# KiCad board panel_4_3.kicad_pcb
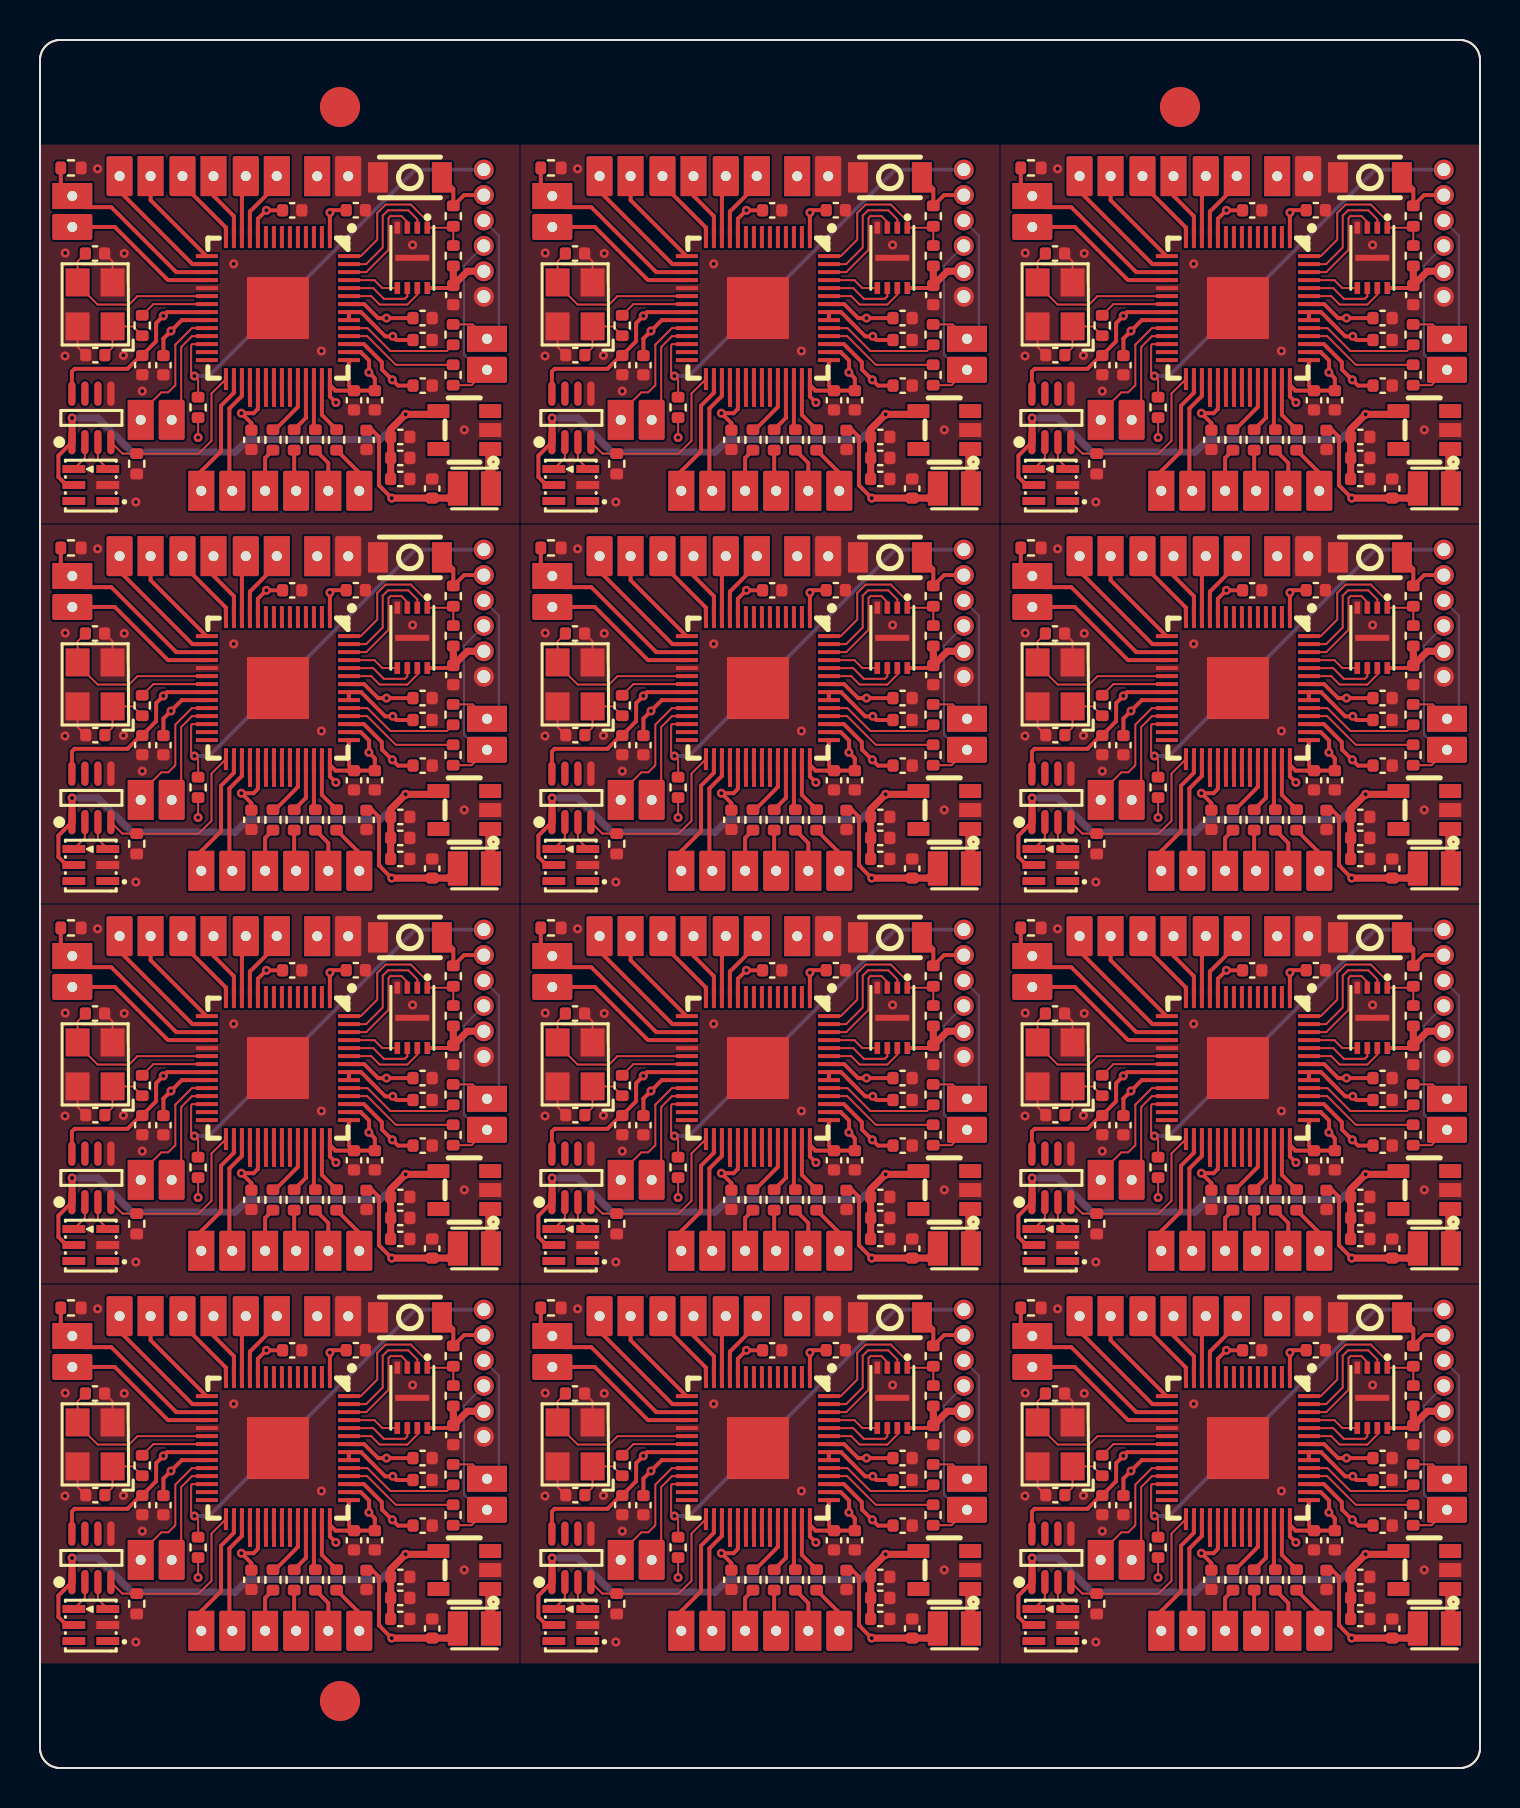
[diagram p0: board, top side]
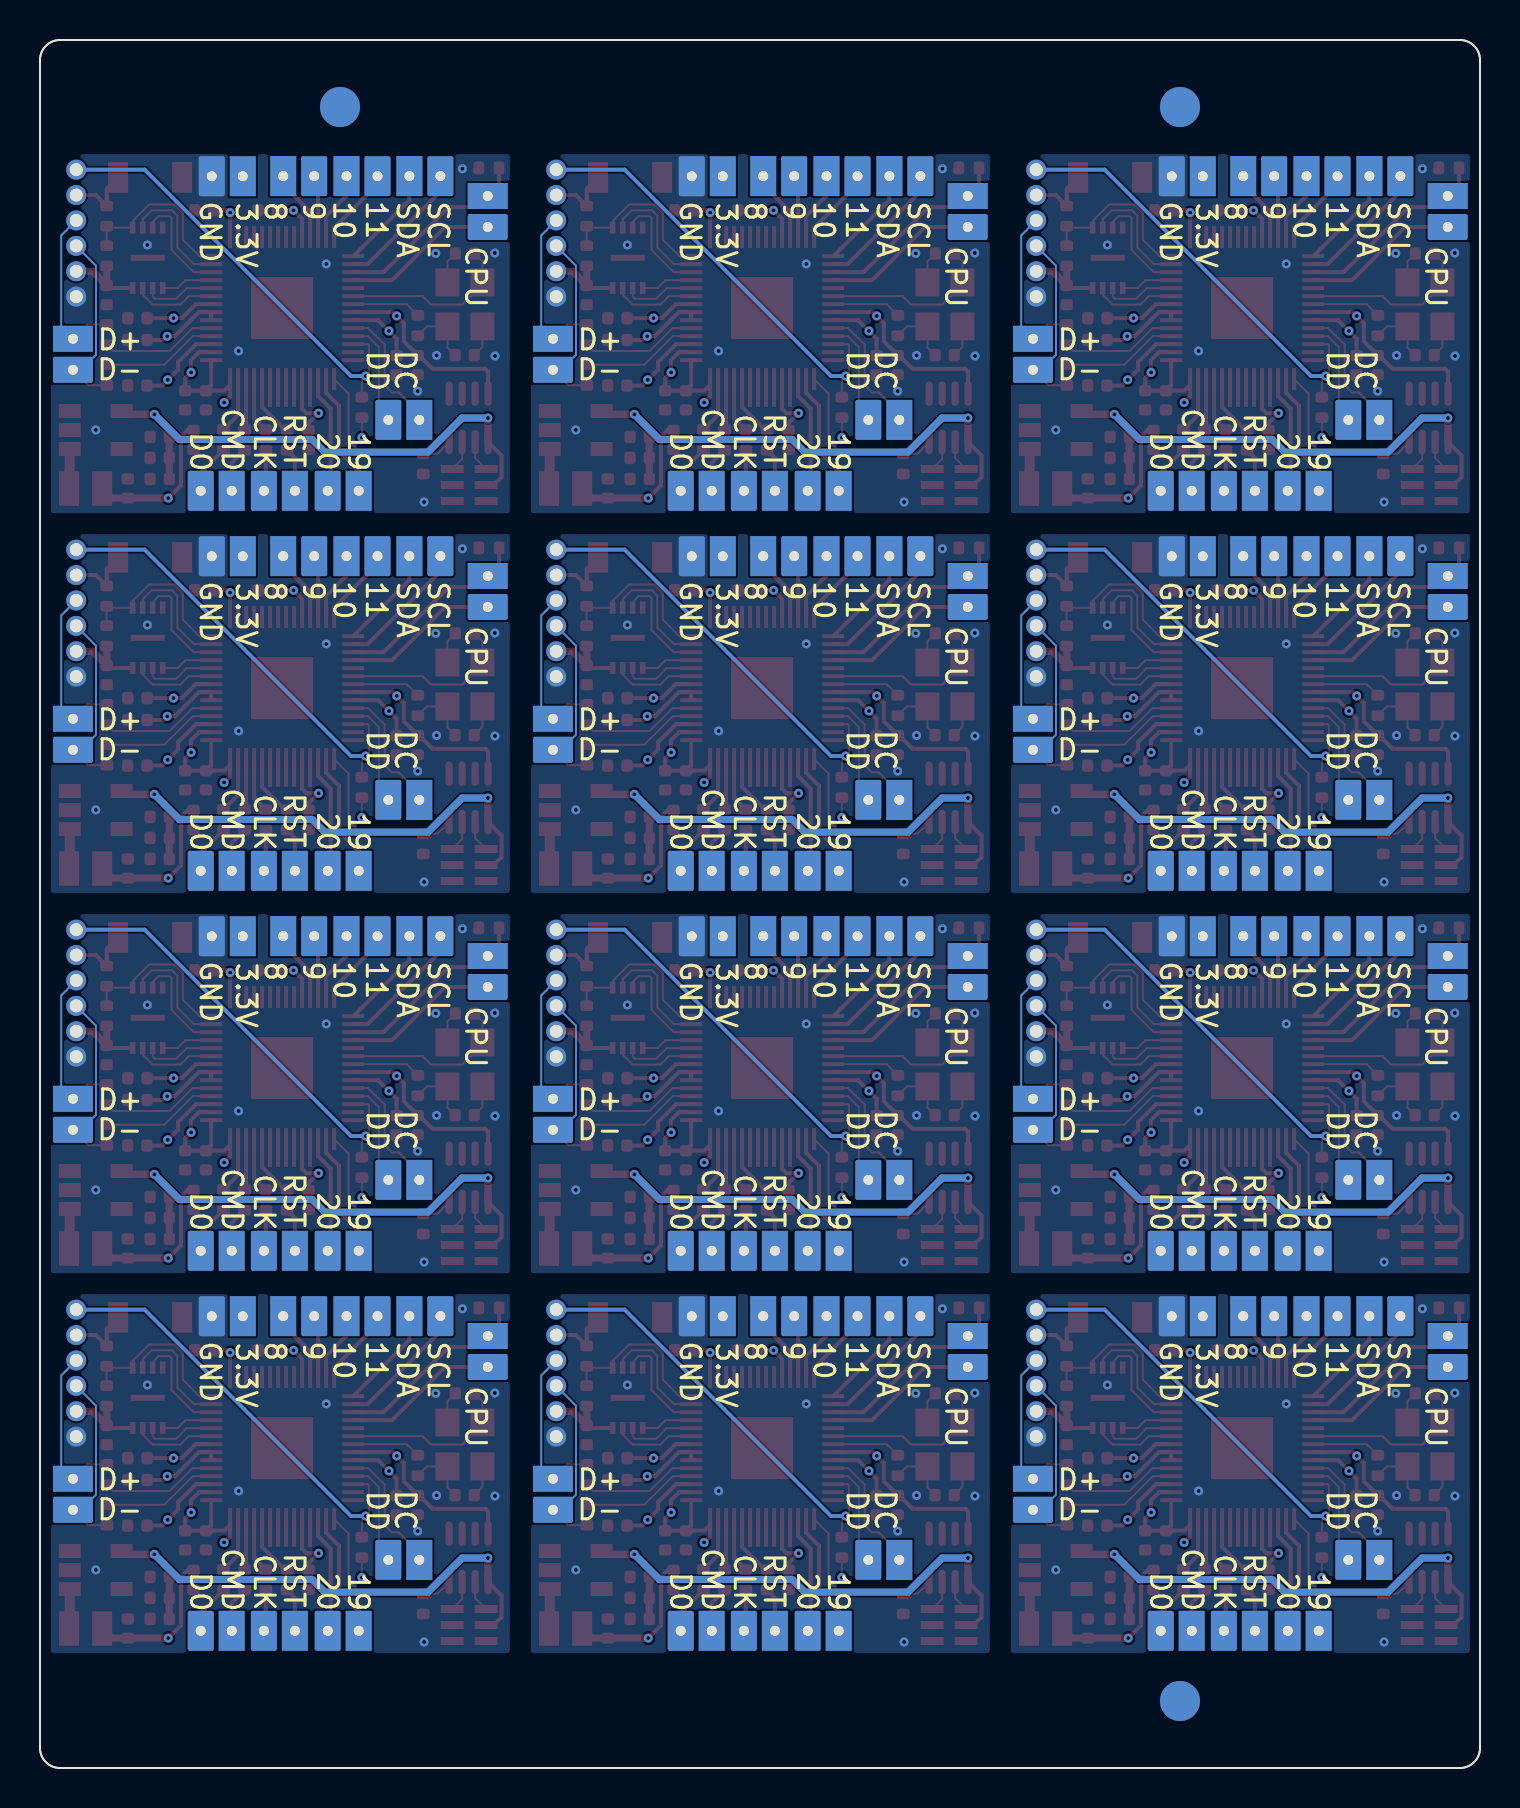
[diagram p1: board, bottom side, seen from below]

Outline 72 x 86.4 mm; copper layers: Top, In1.Cu, In2.Cu, Bottom. Coordinates in mm from the lower left corner of the outline.
Outline path: 0,85.4 0,1 0,0.9 0.02,0.8 0.04,0.71 0.08,0.62 0.12,0.53 0.17,0.44 0.23,0.37 0.29,0.29 0.37,0.23 0.44,0.17 0.53,0.12 0.62,0.08 0.71,0.04 0.8,0.02 0.9,0 1,0 71,0 71.1,0 71.2,0.02 71.29,0.04 71.38,0.08 71.47,0.12 71.56,0.17 71.63,0.23 71.71,0.29 71.77,0.37 71.83,0.44 71.88,0.53 71.92,0.62 71.96,0.71 71.98,0.8 72,0.9 72,1 72,85.4 72,85.5 71.98,85.6 71.96,85.69 71.92,85.78 71.88,85.87 71.83,85.96 71.77,86.03 71.71,86.11 71.63,86.17 71.56,86.23 71.47,86.28 71.38,86.32 71.29,86.36 71.2,86.38 71.1,86.4 71,86.4 1,86.4 0.9,86.4 0.8,86.38 0.71,86.36 0.62,86.32 0.53,86.28 0.44,86.23 0.37,86.17 0.29,86.11 0.23,86.03 0.17,85.96 0.12,85.87 0.08,85.78 0.04,85.69 0.02,85.6 0,85.5 0,85.4
Stack: Top 0.035mm / dielectric 0.48mm FR4 er 4.5 / In1.Cu 0.035mm / dielectric 0.48mm FR4 er 4.5 / In2.Cu 0.035mm / dielectric 0.48mm FR4 er 4.5 / Bottom 0.035mm

## Placement (name value [footprint] x y rotation side)
C1  27pF,50V,C0G  [C_0402_1005Metric]  26.76 32.65 0 top
C1#2  27pF,50V,C0G  [C_0402_1005Metric]  50.76 70.65 0 top
C1#3  27pF,50V,C0G  [C_0402_1005Metric]  2.77 70.65 0 top
C1#4  27pF,50V,C0G  [C_0402_1005Metric]  2.77 32.65 0 top
C1#5  27pF,50V,C0G  [C_0402_1005Metric]  50.76 51.65 0 top
C1#6  27pF,50V,C0G  [C_0402_1005Metric]  26.76 51.65 0 top
C1#7  27pF,50V,C0G  [C_0402_1005Metric]  50.76 32.65 0 top
C1#8  27pF,50V,C0G  [C_0402_1005Metric]  2.77 51.65 0 top
C1#9  27pF,50V,C0G  [C_0402_1005Metric]  2.77 13.65 0 top
C1#10  27pF,50V,C0G  [C_0402_1005Metric]  50.76 13.65 0 top
C1#11  27pF,50V,C0G  [C_0402_1005Metric]  26.76 13.65 0 top
C1#12  27pF,50V,C0G  [C_0402_1005Metric]  26.76 70.65 0 top
C2  100nF,16V,X7R  [C_0402_1005Metric]  19.13 72.5 0 top
C2#2  100nF,16V,X7R  [C_0402_1005Metric]  43.13 72.5 0 top
C2#3  100nF,16V,X7R  [C_0402_1005Metric]  67.13 34.5 0 top
C2#4  100nF,16V,X7R  [C_0402_1005Metric]  43.13 15.5 0 top
C2#5  100nF,16V,X7R  [C_0402_1005Metric]  19.13 53.5 0 top
C2#6  100nF,16V,X7R  [C_0402_1005Metric]  43.13 34.5 0 top
C2#7  100nF,16V,X7R  [C_0402_1005Metric]  67.13 53.5 0 top
C2#8  100nF,16V,X7R  [C_0402_1005Metric]  43.13 53.5 0 top
C2#9  100nF,16V,X7R  [C_0402_1005Metric]  19.13 34.5 0 top
C2#10  100nF,16V,X7R  [C_0402_1005Metric]  67.13 15.5 0 top
C2#11  100nF,16V,X7R  [C_0402_1005Metric]  19.13 15.5 0 top
C2#12  100nF,16V,X7R  [C_0402_1005Metric]  67.13 72.5 0 top
C3  27pF,50V,C0G  [C_0402_1005Metric]  26.75 75.73 0 top
C3#2  27pF,50V,C0G  [C_0402_1005Metric]  2.75 37.73 0 top
C3#3  27pF,50V,C0G  [C_0402_1005Metric]  50.75 37.73 0 top
C3#4  27pF,50V,C0G  [C_0402_1005Metric]  50.75 18.73 0 top
C3#5  27pF,50V,C0G  [C_0402_1005Metric]  2.75 18.73 0 top
C3#6  27pF,50V,C0G  [C_0402_1005Metric]  50.75 56.73 0 top
C3#7  27pF,50V,C0G  [C_0402_1005Metric]  2.75 75.73 0 top
C3#8  27pF,50V,C0G  [C_0402_1005Metric]  2.75 56.73 0 top
C3#9  27pF,50V,C0G  [C_0402_1005Metric]  26.75 56.73 0 top
C3#10  27pF,50V,C0G  [C_0402_1005Metric]  26.75 18.73 0 top
C3#11  27pF,50V,C0G  [C_0402_1005Metric]  50.75 75.73 0 top
C3#12  27pF,50V,C0G  [C_0402_1005Metric]  26.75 37.73 0 top
C4  100nF,16V,X7R  [C_0402_1005Metric]  6.17 32.14 270 top
C4#2  100nF,16V,X7R  [C_0402_1005Metric]  6.17 13.14 270 top
C4#3  100nF,16V,X7R  [C_0402_1005Metric]  30.17 32.14 270 top
C4#4  100nF,16V,X7R  [C_0402_1005Metric]  6.17 51.14 270 top
C4#5  100nF,16V,X7R  [C_0402_1005Metric]  6.17 70.14 270 top
C4#6  100nF,16V,X7R  [C_0402_1005Metric]  54.17 51.14 270 top
C4#7  100nF,16V,X7R  [C_0402_1005Metric]  30.17 70.14 270 top
C4#8  100nF,16V,X7R  [C_0402_1005Metric]  30.17 51.14 270 top
C4#9  100nF,16V,X7R  [C_0402_1005Metric]  54.17 13.14 270 top
C4#10  100nF,16V,X7R  [C_0402_1005Metric]  54.17 70.14 270 top
C4#11  100nF,16V,X7R  [C_0402_1005Metric]  54.17 32.14 270 top
C4#12  100nF,16V,X7R  [C_0402_1005Metric]  30.17 13.14 270 top
C5  1uF,25V,X5R  [C_0402_1005Metric]  67.13 31.12 0 top
C5#2  1uF,25V,X5R  [C_0402_1005Metric]  43.13 50.12 0 top
C5#3  1uF,25V,X5R  [C_0402_1005Metric]  67.13 69.12 0 top
C5#4  1uF,25V,X5R  [C_0402_1005Metric]  43.13 12.12 0 top
C5#5  1uF,25V,X5R  [C_0402_1005Metric]  19.13 50.12 0 top
C5#6  1uF,25V,X5R  [C_0402_1005Metric]  43.13 69.12 0 top
C5#7  1uF,25V,X5R  [C_0402_1005Metric]  19.13 31.12 0 top
C5#8  1uF,25V,X5R  [C_0402_1005Metric]  67.13 12.12 0 top
C5#9  1uF,25V,X5R  [C_0402_1005Metric]  67.13 50.12 0 top
C5#10  1uF,25V,X5R  [C_0402_1005Metric]  43.13 31.12 0 top
C5#11  1uF,25V,X5R  [C_0402_1005Metric]  19.13 12.12 0 top
C5#12  1uF,25V,X5R  [C_0402_1005Metric]  19.13 69.12 0 top
C6  1uF,25V,X5R  [C_0402_1005Metric]  64.75 68.39 90 top
C6#2  1uF,25V,X5R  [C_0402_1005Metric]  16.75 11.39 90 top
C6#3  1uF,25V,X5R  [C_0402_1005Metric]  40.75 49.39 90 top
C6#4  1uF,25V,X5R  [C_0402_1005Metric]  16.75 49.39 90 top
C6#5  1uF,25V,X5R  [C_0402_1005Metric]  40.75 68.39 90 top
C6#6  1uF,25V,X5R  [C_0402_1005Metric]  64.75 11.39 90 top
C6#7  1uF,25V,X5R  [C_0402_1005Metric]  64.75 49.39 90 top
C6#8  1uF,25V,X5R  [C_0402_1005Metric]  40.75 30.39 90 top
C6#9  1uF,25V,X5R  [C_0402_1005Metric]  64.75 30.39 90 top
C6#10  1uF,25V,X5R  [C_0402_1005Metric]  40.75 11.39 90 top
C6#11  1uF,25V,X5R  [C_0402_1005Metric]  16.75 68.39 90 top
C6#12  1uF,25V,X5R  [C_0402_1005Metric]  16.75 30.39 90 top
C7  100nF,16V,X7R  [C_0402_1005Metric]  58.57 28.41 270 top
C7#2  100nF,16V,X7R  [C_0402_1005Metric]  34.57 28.41 270 top
C7#3  100nF,16V,X7R  [C_0402_1005Metric]  34.57 66.41 270 top
C7#4  100nF,16V,X7R  [C_0402_1005Metric]  58.57 9.41 270 top
C7#5  100nF,16V,X7R  [C_0402_1005Metric]  58.57 66.41 270 top
C7#6  100nF,16V,X7R  [C_0402_1005Metric]  10.57 28.41 270 top
C7#7  100nF,16V,X7R  [C_0402_1005Metric]  58.57 47.41 270 top
C7#8  100nF,16V,X7R  [C_0402_1005Metric]  10.57 9.41 270 top
C7#9  100nF,16V,X7R  [C_0402_1005Metric]  34.57 9.41 270 top
C7#10  100nF,16V,X7R  [C_0402_1005Metric]  10.57 47.41 270 top
C7#11  100nF,16V,X7R  [C_0402_1005Metric]  34.57 47.41 270 top
C7#12  100nF,16V,X7R  [C_0402_1005Metric]  10.57 66.41 270 top
C8  100nF,16V,X7R  [C_0402_1005Metric]  40.32 28.41 270 top
C8#2  100nF,16V,X7R  [C_0402_1005Metric]  16.32 28.41 270 top
C8#3  100nF,16V,X7R  [C_0402_1005Metric]  64.32 9.41 270 top
C8#4  100nF,16V,X7R  [C_0402_1005Metric]  64.32 66.41 270 top
C8#5  100nF,16V,X7R  [C_0402_1005Metric]  16.32 66.41 270 top
C8#6  100nF,16V,X7R  [C_0402_1005Metric]  64.32 28.41 270 top
C8#7  100nF,16V,X7R  [C_0402_1005Metric]  40.32 47.41 270 top
C8#8  100nF,16V,X7R  [C_0402_1005Metric]  16.32 9.41 270 top
C8#9  100nF,16V,X7R  [C_0402_1005Metric]  64.32 47.41 270 top
C8#10  100nF,16V,X7R  [C_0402_1005Metric]  40.32 66.41 270 top
C8#11  100nF,16V,X7R  [C_0402_1005Metric]  16.32 47.41 270 top
C8#12  100nF,16V,X7R  [C_0402_1005Metric]  40.32 9.41 270 top
C9  100nF,16V,X7R  [C_0402_1005Metric]  15.7 11.39 270 top
C9#2  100nF,16V,X7R  [C_0402_1005Metric]  63.7 68.39 270 top
C9#3  100nF,16V,X7R  [C_0402_1005Metric]  63.7 30.39 270 top
C9#4  100nF,16V,X7R  [C_0402_1005Metric]  39.7 30.39 270 top
C9#5  100nF,16V,X7R  [C_0402_1005Metric]  39.7 11.39 270 top
C9#6  100nF,16V,X7R  [C_0402_1005Metric]  63.7 49.39 270 top
C9#7  100nF,16V,X7R  [C_0402_1005Metric]  39.7 68.39 270 top
C9#8  100nF,16V,X7R  [C_0402_1005Metric]  15.7 68.39 270 top
C9#9  100nF,16V,X7R  [C_0402_1005Metric]  15.7 30.39 270 top
C9#10  100nF,16V,X7R  [C_0402_1005Metric]  39.7 49.39 270 top
C9#11  100nF,16V,X7R  [C_0402_1005Metric]  15.7 49.39 270 top
C9#12  100nF,16V,X7R  [C_0402_1005Metric]  63.7 11.39 270 top
C10  100nF,16V,X7R  [C_0402_1005Metric]  19.13 14.4 0 top
C10#2  100nF,16V,X7R  [C_0402_1005Metric]  43.13 52.4 0 top
C10#3  100nF,16V,X7R  [C_0402_1005Metric]  43.13 33.4 0 top
C10#4  100nF,16V,X7R  [C_0402_1005Metric]  19.13 71.4 0 top
C10#5  100nF,16V,X7R  [C_0402_1005Metric]  19.13 52.4 0 top
C10#6  100nF,16V,X7R  [C_0402_1005Metric]  67.13 71.4 0 top
C10#7  100nF,16V,X7R  [C_0402_1005Metric]  67.13 52.4 0 top
C10#8  100nF,16V,X7R  [C_0402_1005Metric]  43.13 14.4 0 top
C10#9  100nF,16V,X7R  [C_0402_1005Metric]  19.13 33.4 0 top
C10#10  100nF,16V,X7R  [C_0402_1005Metric]  67.13 14.4 0 top
C10#11  100nF,16V,X7R  [C_0402_1005Metric]  43.13 71.4 0 top
C10#12  100nF,16V,X7R  [C_0402_1005Metric]  67.13 33.4 0 top
C11  100nF,16V,X7R  [C_0402_1005Metric]  39.79 58.89 0 top
C11#2  100nF,16V,X7R  [C_0402_1005Metric]  63.79 39.89 0 top
C11#3  100nF,16V,X7R  [C_0402_1005Metric]  15.79 77.89 0 top
C11#4  100nF,16V,X7R  [C_0402_1005Metric]  63.79 77.89 0 top
C11#5  100nF,16V,X7R  [C_0402_1005Metric]  39.79 39.89 0 top
C11#6  100nF,16V,X7R  [C_0402_1005Metric]  39.79 77.89 0 top
C11#7  100nF,16V,X7R  [C_0402_1005Metric]  39.79 20.89 0 top
C11#8  100nF,16V,X7R  [C_0402_1005Metric]  15.79 20.89 0 top
C11#9  100nF,16V,X7R  [C_0402_1005Metric]  15.79 39.89 0 top
C11#10  100nF,16V,X7R  [C_0402_1005Metric]  63.79 58.89 0 top
C11#11  100nF,16V,X7R  [C_0402_1005Metric]  15.79 58.89 0 top
C11#12  100nF,16V,X7R  [C_0402_1005Metric]  63.79 20.89 0 top
C12  100nF,16V,X7R  [C_0402_1005Metric]  60.61 77.89 0 top
C12#2  100nF,16V,X7R  [C_0402_1005Metric]  36.61 39.89 0 top
C12#3  100nF,16V,X7R  [C_0402_1005Metric]  36.61 77.89 0 top
C12#4  100nF,16V,X7R  [C_0402_1005Metric]  12.61 58.89 0 top
C12#5  100nF,16V,X7R  [C_0402_1005Metric]  12.61 77.89 0 top
C12#6  100nF,16V,X7R  [C_0402_1005Metric]  60.61 39.89 0 top
C12#7  100nF,16V,X7R  [C_0402_1005Metric]  60.61 58.89 0 top
C12#8  100nF,16V,X7R  [C_0402_1005Metric]  36.61 58.89 0 top
C12#9  100nF,16V,X7R  [C_0402_1005Metric]  12.61 20.89 0 top
C12#10  100nF,16V,X7R  [C_0402_1005Metric]  36.61 20.89 0 top
C12#11  100nF,16V,X7R  [C_0402_1005Metric]  60.61 20.89 0 top
C12#12  100nF,16V,X7R  [C_0402_1005Metric]  12.61 39.89 0 top
C13  100nF,16V,X7R  [C_0402_1005Metric]  5.11 70.15 270 top
C13#2  100nF,16V,X7R  [C_0402_1005Metric]  29.12 13.15 270 top
C13#3  100nF,16V,X7R  [C_0402_1005Metric]  53.12 32.15 270 top
C13#4  100nF,16V,X7R  [C_0402_1005Metric]  53.12 51.15 270 top
C13#5  100nF,16V,X7R  [C_0402_1005Metric]  5.11 13.15 270 top
C13#6  100nF,16V,X7R  [C_0402_1005Metric]  29.12 51.15 270 top
C13#7  100nF,16V,X7R  [C_0402_1005Metric]  53.12 70.15 270 top
C13#8  100nF,16V,X7R  [C_0402_1005Metric]  29.12 32.15 270 top
C13#9  100nF,16V,X7R  [C_0402_1005Metric]  53.12 13.15 270 top
C13#10  100nF,16V,X7R  [C_0402_1005Metric]  29.12 70.15 270 top
C13#11  100nF,16V,X7R  [C_0402_1005Metric]  5.11 32.15 270 top
C13#12  100nF,16V,X7R  [C_0402_1005Metric]  5.11 51.15 270 top
C14  100nF,16V,X7R  [C_0402_1005Metric]  44.66 35.65 270 top
C14#2  100nF,16V,X7R  [C_0402_1005Metric]  20.66 73.65 270 top
C14#3  100nF,16V,X7R  [C_0402_1005Metric]  44.66 54.65 270 top
C14#4  100nF,16V,X7R  [C_0402_1005Metric]  44.66 73.65 270 top
C14#5  100nF,16V,X7R  [C_0402_1005Metric]  68.66 73.65 270 top
C14#6  100nF,16V,X7R  [C_0402_1005Metric]  20.66 35.65 270 top
C14#7  100nF,16V,X7R  [C_0402_1005Metric]  68.66 54.65 270 top
C14#8  100nF,16V,X7R  [C_0402_1005Metric]  68.66 35.65 270 top
C14#9  100nF,16V,X7R  [C_0402_1005Metric]  20.66 16.65 270 top
C14#10  100nF,16V,X7R  [C_0402_1005Metric]  44.66 16.65 270 top
C14#11  100nF,16V,X7R  [C_0402_1005Metric]  20.66 54.65 270 top
C14#12  100nF,16V,X7R  [C_0402_1005Metric]  68.66 16.65 270 top
C15  4.7uF,10V,X5R  [C_0402_1005Metric]  67.61 25.98 90 top
C15#2  4.7uF,10V,X5R  [C_0402_1005Metric]  43.61 25.98 90 top
C15#3  4.7uF,10V,X5R  [C_0402_1005Metric]  67.61 44.98 90 top
C15#4  4.7uF,10V,X5R  [C_0402_1005Metric]  19.61 44.98 90 top
C15#5  4.7uF,10V,X5R  [C_0402_1005Metric]  43.61 44.98 90 top
C15#6  4.7uF,10V,X5R  [C_0402_1005Metric]  67.61 63.98 90 top
C15#7  4.7uF,10V,X5R  [C_0402_1005Metric]  19.61 6.98 90 top
C15#8  4.7uF,10V,X5R  [C_0402_1005Metric]  19.61 25.98 90 top
C15#9  4.7uF,10V,X5R  [C_0402_1005Metric]  43.61 6.98 90 top
C15#10  4.7uF,10V,X5R  [C_0402_1005Metric]  19.61 63.98 90 top
C15#11  4.7uF,10V,X5R  [C_0402_1005Metric]  67.61 6.98 90 top
C15#12  4.7uF,10V,X5R  [C_0402_1005Metric]  43.61 63.98 90 top
C16  10uF,6.3V,X5R  [C_0402_1005Metric]  66.01 28.56 0 top
C16#2  10uF,6.3V,X5R  [C_0402_1005Metric]  66.01 9.56 0 top
C16#3  10uF,6.3V,X5R  [C_0402_1005Metric]  18.01 28.56 0 top
C16#4  10uF,6.3V,X5R  [C_0402_1005Metric]  42.01 9.56 0 top
C16#5  10uF,6.3V,X5R  [C_0402_1005Metric]  18.01 66.56 0 top
C16#6  10uF,6.3V,X5R  [C_0402_1005Metric]  18.01 9.56 0 top
C16#7  10uF,6.3V,X5R  [C_0402_1005Metric]  42.01 28.56 0 top
C16#8  10uF,6.3V,X5R  [C_0402_1005Metric]  18.01 47.56 0 top
C16#9  10uF,6.3V,X5R  [C_0402_1005Metric]  66.01 66.56 0 top
C16#10  10uF,6.3V,X5R  [C_0402_1005Metric]  42.01 47.56 0 top
C16#11  10uF,6.3V,X5R  [C_0402_1005Metric]  42.01 66.56 0 top
C16#12  10uF,6.3V,X5R  [C_0402_1005Metric]  66.01 47.56 0 top
C17  10uF,6.3V,X5R  [C_0402_1005Metric]  42.01 8.51 0 top
C17#2  10uF,6.3V,X5R  [C_0402_1005Metric]  18.01 27.51 0 top
C17#3  10uF,6.3V,X5R  [C_0402_1005Metric]  66.01 27.51 0 top
C17#4  10uF,6.3V,X5R  [C_0402_1005Metric]  42.01 65.5 0 top
C17#5  10uF,6.3V,X5R  [C_0402_1005Metric]  18.01 8.51 0 top
C17#6  10uF,6.3V,X5R  [C_0402_1005Metric]  42.01 46.51 0 top
C17#7  10uF,6.3V,X5R  [C_0402_1005Metric]  18.01 46.51 0 top
C17#8  10uF,6.3V,X5R  [C_0402_1005Metric]  42.01 27.51 0 top
C17#9  10uF,6.3V,X5R  [C_0402_1005Metric]  66.01 65.5 0 top
C17#10  10uF,6.3V,X5R  [C_0402_1005Metric]  18.01 65.5 0 top
C17#11  10uF,6.3V,X5R  [C_0402_1005Metric]  66.01 8.51 0 top
C17#12  10uF,6.3V,X5R  [C_0402_1005Metric]  66.01 46.51 0 top
C18  2.2uF,6.3V,X5R  [C_0402_1005Metric]  18.01 64.46 0 top
C18#2  2.2uF,6.3V,X5R  [C_0402_1005Metric]  18.01 45.46 0 top
C18#3  2.2uF,6.3V,X5R  [C_0402_1005Metric]  66.01 7.46 0 top
C18#4  2.2uF,6.3V,X5R  [C_0402_1005Metric]  42.01 45.46 0 top
C18#5  2.2uF,6.3V,X5R  [C_0402_1005Metric]  42.01 26.46 0 top
C18#6  2.2uF,6.3V,X5R  [C_0402_1005Metric]  66.01 26.46 0 top
C18#7  2.2uF,6.3V,X5R  [C_0402_1005Metric]  66.01 64.46 0 top
C18#8  2.2uF,6.3V,X5R  [C_0402_1005Metric]  18.01 26.46 0 top
C18#9  2.2uF,6.3V,X5R  [C_0402_1005Metric]  18.01 7.46 0 top
C18#10  2.2uF,6.3V,X5R  [C_0402_1005Metric]  42.01 7.46 0 top
C18#11  2.2uF,6.3V,X5R  [C_0402_1005Metric]  42.01 64.46 0 top
C18#12  2.2uF,6.3V,X5R  [C_0402_1005Metric]  66.01 45.46 0 top
J1  Conn_01x02  [TH_Pads_1x02_P1.50mml]  61.86 41.59 90 top
J1#2  Conn_01x02  [TH_Pads_1x02_P1.50mml]  13.86 41.59 90 top
J1#3  Conn_01x02  [TH_Pads_1x02_P1.50mml]  61.86 60.59 90 top
J1#4  Conn_01x02  [TH_Pads_1x02_P1.50mml]  61.86 22.59 90 top
J1#5  Conn_01x02  [TH_Pads_1x02_P1.50mml]  13.86 22.59 90 top
J1#6  Conn_01x02  [TH_Pads_1x02_P1.50mml]  13.86 60.59 90 top
J1#7  Conn_01x02  [TH_Pads_1x02_P1.50mml]  37.86 60.59 90 top
J1#8  Conn_01x02  [TH_Pads_1x02_P1.50mml]  37.86 41.59 90 top
J1#9  Conn_01x02  [TH_Pads_1x02_P1.50mml]  61.86 79.59 90 top
J1#10  Conn_01x02  [TH_Pads_1x02_P1.50mml]  37.86 22.59 90 top
J1#11  Conn_01x02  [TH_Pads_1x02_P1.50mml]  13.86 79.59 90 top
J1#12  Conn_01x02  [TH_Pads_1x02_P1.50mml]  37.86 79.59 90 top
J2  Conn_01x02  [TH_Pads_1x02_P1.50mml]  49.62 21.6 0 top
J2#2  Conn_01x02  [TH_Pads_1x02_P1.50mml]  1.61 78.6 0 top
J2#3  Conn_01x02  [TH_Pads_1x02_P1.50mml]  1.61 40.6 0 top
J2#4  Conn_01x02  [TH_Pads_1x02_P1.50mml]  25.62 78.6 0 top
J2#5  Conn_01x02  [TH_Pads_1x02_P1.50mml]  49.62 40.6 0 top
J2#6  Conn_01x02  [TH_Pads_1x02_P1.50mml]  25.62 21.6 0 top
J2#7  Conn_01x02  [TH_Pads_1x02_P1.50mml]  49.62 78.6 0 top
J2#8  Conn_01x02  [TH_Pads_1x02_P1.50mml]  25.62 59.6 0 top
J2#9  Conn_01x02  [TH_Pads_1x02_P1.50mml]  1.61 21.6 0 top
J2#10  Conn_01x02  [TH_Pads_1x02_P1.50mml]  1.61 59.6 0 top
J2#11  Conn_01x02  [TH_Pads_1x02_P1.50mml]  49.62 59.6 0 top
J2#12  Conn_01x02  [TH_Pads_1x02_P1.50mml]  25.62 40.6 0 top
J3  Conn_01x02  [TH_Pads_1x02_P1.50mml]  59.25 44.86 90 top
J3#2  Conn_01x02  [TH_Pads_1x02_P1.50mml]  11.25 6.86 90 top
J3#3  Conn_01x02  [TH_Pads_1x02_P1.50mml]  11.25 63.86 90 top
J3#4  Conn_01x02  [TH_Pads_1x02_P1.50mml]  35.25 6.86 90 top
J3#5  Conn_01x02  [TH_Pads_1x02_P1.50mml]  11.25 44.86 90 top
J3#6  Conn_01x02  [TH_Pads_1x02_P1.50mml]  35.25 63.86 90 top
J3#7  Conn_01x02  [TH_Pads_1x02_P1.50mml]  59.25 25.86 90 top
J3#8  Conn_01x02  [TH_Pads_1x02_P1.50mml]  59.25 6.86 90 top
J3#9  Conn_01x02  [TH_Pads_1x02_P1.50mml]  35.25 25.86 90 top
J3#10  Conn_01x02  [TH_Pads_1x02_P1.50mml]  11.25 25.86 90 top
J3#11  Conn_01x02  [TH_Pads_1x02_P1.50mml]  59.25 63.86 90 top
J3#12  Conn_01x02  [TH_Pads_1x02_P1.50mml]  35.25 44.86 90 top
J4  Conn_01x02  [TH_Pads_1x02_P1.50mml]  14.42 25.86 90 top
J4#2  Conn_01x02  [TH_Pads_1x02_P1.50mml]  38.41 6.86 90 top
J4#3  Conn_01x02  [TH_Pads_1x02_P1.50mml]  14.42 6.86 90 top
J4#4  Conn_01x02  [TH_Pads_1x02_P1.50mml]  38.41 63.86 90 top
J4#5  Conn_01x02  [TH_Pads_1x02_P1.50mml]  38.41 44.86 90 top
J4#6  Conn_01x02  [TH_Pads_1x02_P1.50mml]  38.41 25.86 90 top
J4#7  Conn_01x02  [TH_Pads_1x02_P1.50mml]  62.41 44.86 90 top
J4#8  Conn_01x02  [TH_Pads_1x02_P1.50mml]  14.42 63.86 90 top
J4#9  Conn_01x02  [TH_Pads_1x02_P1.50mml]  62.41 25.86 90 top
J4#10  Conn_01x02  [TH_Pads_1x02_P1.50mml]  14.42 44.86 90 top
J4#11  Conn_01x02  [TH_Pads_1x02_P1.50mml]  62.41 6.86 90 top
J4#12  Conn_01x02  [TH_Pads_1x02_P1.50mml]  62.41 63.86 90 top
J5  Conn_01x02  [TH_Pads_1x02_P1.50mml]  22.35 14.46 0 top
J5#2  Conn_01x02  [TH_Pads_1x02_P1.50mml]  22.35 71.46 0 top
J5#3  Conn_01x02  [TH_Pads_1x02_P1.50mml]  22.35 33.46 0 top
J5#4  Conn_01x02  [TH_Pads_1x02_P1.50mml]  46.35 52.46 0 top
J5#5  Conn_01x02  [TH_Pads_1x02_P1.50mml]  70.35 71.46 0 top
J5#6  Conn_01x02  [TH_Pads_1x02_P1.50mml]  70.35 52.46 0 top
J5#7  Conn_01x02  [TH_Pads_1x02_P1.50mml]  46.35 33.46 0 top
J5#8  Conn_01x02  [TH_Pads_1x02_P1.50mml]  70.35 14.46 0 top
J5#9  Conn_01x02  [TH_Pads_1x02_P1.50mml]  70.35 33.46 0 top
J5#10  Conn_01x02  [TH_Pads_1x02_P1.50mml]  46.35 14.46 0 top
J5#11  Conn_01x02  [TH_Pads_1x02_P1.50mml]  46.35 71.46 0 top
J5#12  Conn_01x02  [TH_Pads_1x02_P1.50mml]  22.35 52.46 0 top
J6  Conn_01x02  [TH_Pads_1x02_P1.50mml]  53.53 79.59 270 top
J6#2  Conn_01x02  [TH_Pads_1x02_P1.50mml]  29.53 41.59 270 top
J6#3  Conn_01x02  [TH_Pads_1x02_P1.50mml]  53.53 41.59 270 top
J6#4  Conn_01x02  [TH_Pads_1x02_P1.50mml]  5.53 60.6 270 top
J6#5  Conn_01x02  [TH_Pads_1x02_P1.50mml]  53.53 22.59 270 top
J6#6  Conn_01x02  [TH_Pads_1x02_P1.50mml]  53.53 60.6 270 top
J6#7  Conn_01x02  [TH_Pads_1x02_P1.50mml]  29.53 79.59 270 top
J6#8  Conn_01x02  [TH_Pads_1x02_P1.50mml]  5.53 41.59 270 top
J6#9  Conn_01x02  [TH_Pads_1x02_P1.50mml]  29.53 60.6 270 top
J6#10  Conn_01x02  [TH_Pads_1x02_P1.50mml]  29.53 22.59 270 top
J6#11  Conn_01x02  [TH_Pads_1x02_P1.50mml]  5.53 79.59 270 top
J6#12  Conn_01x02  [TH_Pads_1x02_P1.50mml]  5.53 22.59 270 top
J7  Conn_01x02  [TH_Pads_1x02_P1.50mml]  29.03 48.41 90 top
J7#2  Conn_01x02  [TH_Pads_1x02_P1.50mml]  5.03 10.41 90 top
J7#3  Conn_01x02  [TH_Pads_1x02_P1.50mml]  29.03 10.41 90 top
J7#4  Conn_01x02  [TH_Pads_1x02_P1.50mml]  5.03 29.41 90 top
J7#5  Conn_01x02  [TH_Pads_1x02_P1.50mml]  29.03 29.41 90 top
J7#6  Conn_01x02  [TH_Pads_1x02_P1.50mml]  53.03 29.41 90 top
J7#7  Conn_01x02  [TH_Pads_1x02_P1.50mml]  53.03 10.41 90 top
J7#8  Conn_01x02  [TH_Pads_1x02_P1.50mml]  53.03 48.41 90 top
J7#9  Conn_01x02  [TH_Pads_1x02_P1.50mml]  5.03 67.41 90 top
J7#10  Conn_01x02  [TH_Pads_1x02_P1.50mml]  5.03 48.41 90 top
J7#11  Conn_01x02  [TH_Pads_1x02_P1.50mml]  29.03 67.41 90 top
J7#12  Conn_01x02  [TH_Pads_1x02_P1.50mml]  53.03 67.41 90 top
J8  Conn_01x06  [ProgPins_1x06_P1.27mm]  70.19 79.92 0 top
J8#2  Conn_01x06  [ProgPins_1x06_P1.27mm]  70.19 22.92 0 top
J8#3  Conn_01x06  [ProgPins_1x06_P1.27mm]  46.19 22.92 0 top
J8#4  Conn_01x06  [ProgPins_1x06_P1.27mm]  46.19 41.92 0 top
J8#5  Conn_01x06  [ProgPins_1x06_P1.27mm]  70.19 41.92 0 top
J8#6  Conn_01x06  [ProgPins_1x06_P1.27mm]  46.19 60.92 0 top
J8#7  Conn_01x06  [ProgPins_1x06_P1.27mm]  22.19 79.92 0 top
J8#8  Conn_01x06  [ProgPins_1x06_P1.27mm]  70.19 60.92 0 top
J8#9  Conn_01x06  [ProgPins_1x06_P1.27mm]  46.19 79.92 0 top
J8#10  Conn_01x06  [ProgPins_1x06_P1.27mm]  22.19 60.92 0 top